# Altium PCB ZYNQ_JTY_16CH.PcbDoc (part 4 of 4) (continued)
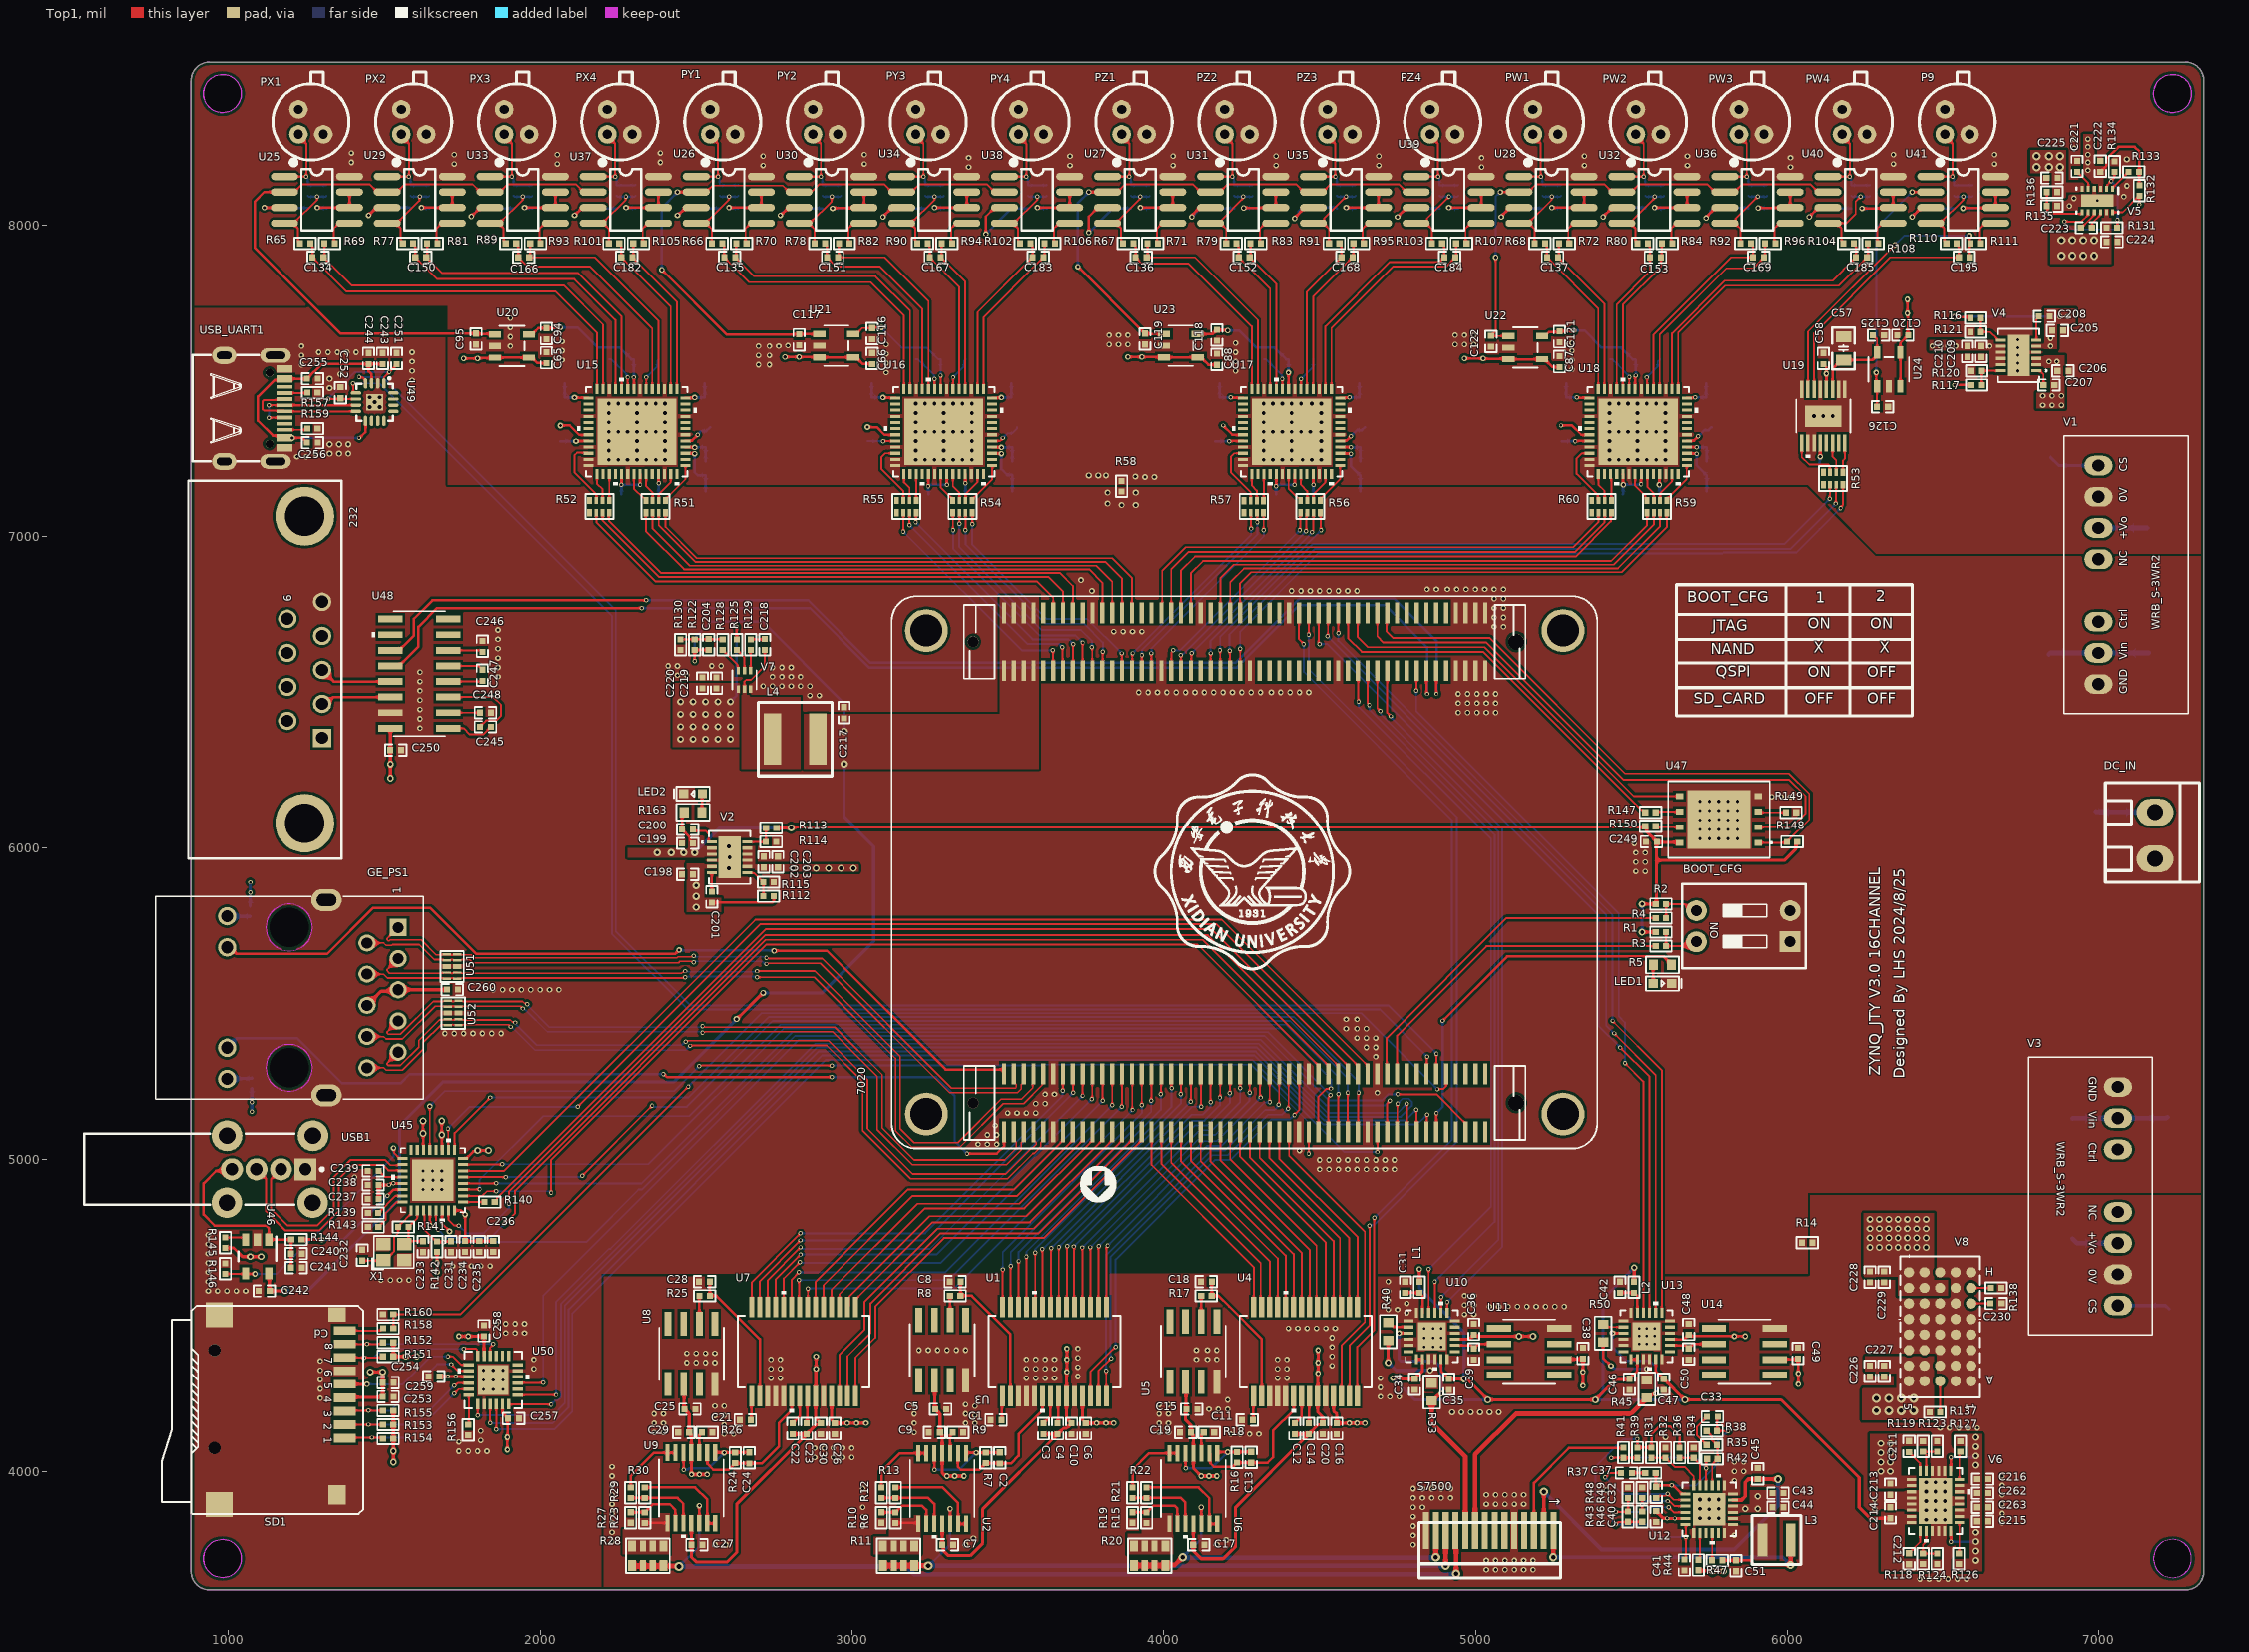
[diagram p0: Top1 view]
## Nets (pads, with @x,y where several pads share a name; then routed paths per layer and width w, separated by ;. In a path a pad name is that pad's centre, name@x,y a point inside that pad or via, vN(x,y) a via of type N, cw(c..) or ccw(c..) an arc to the next point about the centre after c; other vN are vias at no path point) (continued)
  Top1 w8: U25.2@1180,8105 1115,8105 1085,8075 1085,7925 1359.57,7650.43 C95.2@1795,7650.43 1796.52,7648.92 1854.23,7648.92 U20.1@1855.75,7647.4
VREF1V65_Y: C117.2 U21.1 U26.2 U30.2 U34.2 U38.2 | length 1971.3
  Top1 w6: U26.2@2500,8105 2531.5,8105 2552.31,8125.81 2777.69,8125.81 2798.5,8105 U30.2@2830,8105 2833.37,8108.37 2873.37,8108.37 2895,8130 3103.5,8130 3128.5,8105 U34.2@3160,8105 3191.5,8105 3216.5,8130 3433.5,8130 3458.5,8105 U38.2@3490,8105
  Top1 w8: v1(2390,7855) 2597.28,7647.72 C117.2@2830,7647.72 2830.34,7648.06 2895.41,7648.06 U21.1@2895.75,7648.4 ; v1(2440,8105) U26.2@2500,8105
  Bottom4 w8: v1(2390,7855) 2390,8055 v1(2440,8105)
VREF1V65_Z: C119.2 U23.1 U27.2 U31.2 U35.2 U39.2 | length 1730.7
  Top1 w6: U27.2@3820,8105 3851.5,8105 3876.5,8130 4093.5,8130 4118.5,8105 U31.2@4150,8105 4180,8105 4205,8130 4423.5,8130 4448.5,8105 U35.2@4480,8105 4510,8105 4535,8130 4753.5,8130 4778.5,8105 U39.2@4810,8105
  Top1 w8: v1(3725,7865) 3933.72,7656.28 3934.16,7656.28 C119.2@3940,7650.43 ; v1(3760,8105) U27.2@3820,8105 ; C119.2@3941.02,7649.42 3999.73,7649.42 U23.1@4000.75,7648.4
  Bottom4 w8: v1(3725,7865) 3725,8070 v1(3760,8105)
VREF3V3_9: C57.1 C125.2 U19.3 U24.5 | length 297.6
  Top1 w6: C125.2@6274.57,7645 6287.6,7631.97 U24.5@6287.6,7589.25
  Top1 w8: U19.3@6144.53,7471 6144.53,7537.03 6172.5,7565 C57.1@6180,7565 6273.1,7565 6287.6,7579.5 U24.5@6287.6,7589.25
VREF3V3_W: C121.2 C129.2 U18.8 U22.5 | length 442.4
  Top1 w8: U22.5@5214.25,7642.4 5224,7642.4 5236.6,7655 5267.28,7655 C121.2@5270,7657.72 5311.09,7657.72 5313.38,7660 v1(5315,7660) ; U18.8@5512.56,7471 5512.56,7510.94 5515,7513.38 v2(5515,7515)
  Bottom4 w8: v1(5315,7660) 5350,7660 5405,7605 5467.51,7605 5504.91,7567.6 C129.2@5512.41,7567.6 5515,7565.01 v2(5515,7515)
VREF3V3_X: C56.2 C94.2 U15.8 U20.5 | length 484.2
  Top1 w8: U20.5@1964.25,7647.4 1974,7647.4 1994.31,7667.72 C94.2@2020,7667.72 2061.09,7667.72 2063.38,7670 v1(2065,7670) ; v2(2300,7510) 2300.08,7509.92 2300.08,7471.08 U15.8@2300.16,7471
  Bottom4 w8: v1(2065,7670) 2120,7670 2185,7605 2255.1,7605 2292.5,7567.6 C56.2@2300,7567.6 v2(2300,7510)
VREF3V3_Y: C64.2 C116.2 U16.8 U21.5 | length 428.8
  Top1 w6: U21.5@3004.25,7648.4 3014,7648.4 3033.31,7667.72 C116.2@3065,7667.72 3067.28,7670 v1(3095,7670) ; v2(3285,7515) 3285.08,7514.92 3285.08,7471.08 U16.8@3285.16,7471
  Bottom4 w6: v1(3095,7670) 3160,7605 3240.1,7605 3277.5,7567.6 C64.2@3285,7567.6 v2(3285,7515)
VREF3V3_Z: C93.2 C118.2 U17.8 U23.5 | length 432.7
  Top1 w8: U23.5@4109.25,7648.4 4155.69,7648.4 C118.2@4170,7662.72 4171.36,7661.36 4203.64,7661.36 v1(4205,7660) ; v1(4400,7525) 4400.08,7524.92 4400.08,7471.08 U17.8@4400.16,7471
  Bottom4 w8: v1(4205,7660) 4241.35,7660 4296.35,7605 4355.1,7605 4392.5,7567.6 C93.2@4400,7567.6 v1(4400,7525)
VUSB: C243.1 C244.1 C255.1 C256.1 U49.3 U49.9 USB_UART1.2 USB_UART1.11 | length 1053.8
  Top1 w8: v1(1205,7315) USB_UART1.11@1204.49,7315.51 ; C256.1@1252.28,7300 1236.77,7315.51 USB_UART1.11@1204.49,7315.51 ; v2(1420,7315) 1421.62,7315 1440.16,7333.53 1440.16,7369.67 U49.9@1440.31,7369.83 ; U49.3@1460,7490 1460,7519.24 1450,7529.24 C244.1@1450,7552.28 ; C243.1@1495,7552.28 C244.1@1450,7552.28 ; USB_UART1.11@1204.49,7315.51 USB_UART1.11@1180.33,7315.51 1173.58,7322.26 1142.74,7322.26 1095,7370 1095,7448.05 1147.43,7500.47 1176.31,7500.47 1180.59,7504.74 1252.03,7504.74 C255.1@1252.28,7505 1299.56,7552.28 C244.1@1450,7552.28
  Bottom4 w8: v1(1205,7315) v2(1420,7315)
VUSB_V_EN: R146.1 U45.17 U46.4 | length 776.5
  Top1 w6: R146.1@990,4635 1053.46,4635 U46.4@1055.2,4636.73 1056.93,4635 v1(1085,4635) ; v1(1530,5037.94) 1532.3,5035.64 1532.3,5021.7 1549,5005 U45.17@1560,5005
  Bottom4 w6: v1(1085,4635) 1155,4635 1530,5010 v1(1530,5037.94)
W1+: C137.2 R68.2 U18.14 | length 539.8
  Top1 w6: R68.2@5223.46,7940 5230,7933.46 C137.2@5230,7895 5236.84,7888.16 5394.45,7730.55 U18.14@5394.45,7471
W1-: C137.1 R72.2 U18.13 | length 531.8
  Top1 w6: R72.2@5268.27,7940 5268.27,7897.83 C137.1@5265.43,7895 5414.14,7746.3 U18.13@5414.14,7471
W2+: C153.2 R80.2 U18.11 | length 515.8
  Top1 w6: U18.11@5453.51,7471 5453.51,7743.51 5560,7850 C153.2@5560,7895 5560,7933.46 R80.2@5553.46,7940
W2-: C153.1 R84.2 U18.10 | length 520.8
  Top1 w6: U18.10@5473.19,7471 5473.19,7743.19 5595.43,7865.43 C153.1@5595.43,7895 5598.27,7897.83 R84.2@5598.27,7940
W3+: C169.2 R92.2 U18.5 | length 644.6
  Top1 w6: U18.5@5571.62,7471 5571.62,7646.62 5820,7895 C169.2@5890,7895 5890,7933.46 R92.2@5883.46,7940
W3-: C169.1 R96.2 U18.4 | length 658.6
  Top1 w6: U18.4@5591.3,7471 5591.3,7646.3 5805,7860 5890.43,7860 C169.1@5925.43,7895 5928.27,7897.83 R96.2@5928.27,7940
W4+: C185.2 R104.2 U18.2 | length 917.9
  Top1 w6: U18.2@5630.67,7471 5630.67,7650.67 5800,7820 6145,7820 6213.16,7888.16 C185.2@6220,7895 6220,7933.46 R104.2@6213.46,7940
W4-: C185.1 R108.2 U18.1 | length 933.7
  Top1 w6: U18.1@5650.36,7471 5650.36,7653.39 5800.99,7804.01 6164.45,7804.01 C185.1@6255.43,7895 6258.27,7897.83 R108.2@6258.27,7940
W_CLKOUT: 7020.J1_39 R59.5 | length 1694.4
  Top1 w6: 7020.J1_39@4087.01,6754.69 4087.01,6882.01 4126,6921 5436,6921 5550.91,7035.91 R59.5@5550.91,7075.31
W_CLKOUTEN: 7020.J1_43
W_CNV: 7020.J1_33 R60.6 | length 1630.9
  Top1 w6: 7020.J1_33@3992.52,6754.69 3995,6757.17 3995,6890 4070,6965 5315,6965 5395,7045 5395,7075.16 R60.6@5395.16,7075.31
W_SCK: 7020.J1_49 R59.8 | length 1584.9
  Top1 w6: 7020.J1_49@4244.49,6754.69 4244.49,6849.49 4280,6885 5470,6885 5613.9,7028.9 R59.8@5613.9,7075.31
W_SDO1: 7020.J1_35 R60.7 | length 1623.1
  Top1 w6: 7020.J1_35@4024.02,6754.69 4024.02,6894.02 4080,6950 5320,6950 5414.84,7044.84 R60.7@5414.84,7075.31
W_SDO2: 7020.J1_37 R60.8 | length 1602.9
  Top1 w6: 7020.J1_37@4055.51,6754.69 4055,6755.2 4055,6890 4100,6935 5321.97,6935 5435,7048.03 R60.8@5435,7069.96
W_SDO3: 7020.J1_45 R59.6 | length 1611.5
  Top1 w6: 7020.J1_45@4181.5,6754.69 4181.5,6866.5 4224,6909 5444,6909 5572.56,7037.56 R59.6@5572.56,7075.31
W_SDO4: 7020.J1_47 R59.7 | length 1594.9
  Top1 w6: 7020.J1_47@4212.99,6754.69 4212.99,6852.99 4257,6897 5457,6897 5592.25,7032.25 R59.7@5592.25,7075.31
X1+: C134.2 R65.2 U15.14 | length 1242
  Top1 w6: R65.2@1263.46,7940 1270,7933.46 C134.2@1270,7895 1380,7785 2050,7785 2182.05,7652.95 U15.14@2182.05,7471
X1-: C134.1 R69.2 U15.13 | length 1239.5
  Top1 w6: R69.2@1308.27,7940 1308.27,7897.83 C134.1@1305.43,7895 1395.43,7805 2075,7805 2201.73,7678.27 U15.13@2201.73,7471
X2+: C150.2 R77.2 U15.11 | length 995
  Top1 w6: R77.2@1593.46,7940 1600,7933.46 C150.2@1600,7895 1670,7825 2110,7825 2241.1,7693.9 U15.11@2241.1,7471
X2-: C150.1 R81.2 U15.10 | length 979.8
  Top1 w6: C150.1@1635.43,7895 1685.43,7845 2120,7845 2260.79,7704.21 U15.10@2260.79,7471 ; C150.1@1638.27,7897.83 R81.2@1638.27,7940
X3+: C166.2 R89.2 U15.5 | length 766.6
  Top1 w6: R89.2@1923.46,7940 1930,7933.46 C166.2@1930,7895 1960,7865 2160,7865 2359.21,7665.79 U15.5@2359.21,7471
X3-: C166.1 R93.2 U15.4 | length 760.2
  Top1 w6: C166.1@1965.43,7895 2175,7895 2378.9,7691.1 U15.4@2378.9,7471 ; C166.1@1968.27,7897.83 R93.2@1968.27,7940
X4+: C182.2 R101.2 U15.2 | length 537.3
  Top1 w6: R101.2@2253.46,7940 2260,7933.46 C182.2@2260,7895 2418.27,7736.73 U15.2@2418.27,7471
X4-: C182.1 R105.2 U15.1 | length 529.2
  Top1 w6: R105.2@2298.27,7940 2298.27,7897.83 C182.1@2295.43,7895 2437.95,7752.48 U15.1@2437.95,7471
X_CLKOUT: 7020.J1_21 R51.5 | length 1689
  Top1 w6: R51.5@2338.5,7075.31 2338.5,7016.5 2461,6894 3761,6894 3803.55,6851.45 7020.J1_21@3803.55,6754.69
X_CLKOUTEN: 7020.J1_29
X_CNV: 7020.J1_11 R52.6 | length 1645.5
  Top1 w6: R52.6@2180.16,7075.31 2180,7075.16 2180,7045 2370,6855 3595,6855 3646.07,6803.93 7020.J1_11@3646.07,6754.69
X_SCK: 7020.J1_27 R51.8 | length 1721.4
  Top1 w6: R51.8@2401.5,7075.31 2401.5,7030.47 2501.97,6930 3835,6930 3898.03,6866.97 7020.J1_27@3898.03,6754.69
X_SDO1: 7020.J1_13 R52.7 | length 1664.9
  Top1 w6: R52.7@2199.84,7075.31 2200,7075.16 2200,7050 2380,6870 3630,6870 3677.56,6822.44 7020.J1_13@3677.56,6754.69
X_SDO2: 7020.J1_15 R52.8 | length 1687.8
  Top1 w6: R52.8@2221.5,7075.31 2220,7073.82 2220,7050 2388,6882 3668,6882 3709.06,6840.94 7020.J1_15@3709.06,6754.69
X_SDO3: 7020.J1_23 R51.6 | length 1696
  Top1 w6: R51.6@2360.16,7075.31 2360.16,7024.84 2479,6906 3784,6906 3835.04,6854.96 7020.J1_23@3835.04,6754.69
X_SDO4: 7020.J1_25 R51.7 | length 1706.7
  Top1 w6: R51.7@2379.84,7075.31 2379.84,7035.16 2497,6918 3812,6918 3866.54,6863.46 7020.J1_25@3866.54,6754.69
Y1+: C135.2 R66.2 U16.14 | length 939.2
  Top1 w6: R66.2@2583.46,7940 2590,7933.46 C135.2@2590,7895 2670,7815 3060,7815 3167.05,7707.95 U16.14@3167.05,7471
Y1-: C135.1 R70.2 U16.13 | length 926.9
  Top1 w6: C135.1@2625.43,7895 2685.43,7835 3075,7835 3186.73,7723.27 U16.13@3186.73,7471 ; C135.1@2628.27,7897.83 R70.2@2628.27,7940
Y2+: C151.2 R78.2 U16.11 | length 680.5
  Top1 w6: R78.2@2913.46,7940 2920,7933.46 C151.2@2920,7895 2950,7865 3090,7865 3226.1,7728.9 U16.11@3226.1,7471
Y2-: C151.1 R82.2 U16.10 | length 674
  Top1 w6: C151.1@2955.43,7895 2958.27,7895 3105,7895 3245.79,7754.21 U16.10@3245.79,7471 ; C151.1@2958.27,7897.83 R82.2@2958.27,7940
Y3+: C167.2 R90.2 U16.5 | length 510.7
  Top1 w6: R90.2@3243.46,7940 3250,7933.46 C167.2@3250,7895 3344.21,7800.79 U16.5@3344.21,7471
Y3-: C167.1 R94.2 U16.4 | length 498.7
  Top1 w6: C167.1@3285.43,7895 3363.9,7816.54 U16.4@3363.9,7471 ; C167.1@3288.27,7897.83 R94.2@3288.27,7940
Y4+: C183.2 R102.2 U16.2 | length 544.9
  Top1 w6: U16.2@3403.27,7471 3403.27,7718.27 3573.16,7888.16 C183.2@3580,7895 3580,7933.46 R102.2@3573.46,7940
Y4-: C183.1 R106.2 U16.1 | length 550.2
  Top1 w6: U16.1@3422.95,7471 3422.95,7702.95 3608.16,7888.16 3608.59,7888.16 C183.1@3615.43,7895 3618.27,7897.83 R106.2@3618.27,7940
Y_CLKOUT: 7020.J1_18 R54.5 | length 745.8
  Top1 w6: R54.5@3323.5,7075.31 3324.25,7074.57 3324.25,7020.75 v2(3325,7020) ; v2(3740,6660) 3740.28,6659.73 3740.28,6569.92 7020.J1_18@3740.55,6569.65
  Bottom4 w6: v2(3325,7020) 3325,6960 3603,6682 3718,6682 v2(3740,6660)
Y_CLKOUTEN: 7020.J1_24
Y_CNV: 7020.J1_12 R55.6 | length 763.4
  Top1 w6: R55.6@3165.16,7075.31 3165.12,7075.28 v2(3165.08,7015.08) ; v2(3645,6635) 3645.53,6634.47 3645.53,6570.18 7020.J1_12@3646.07,6569.65 ; v2(3165.08,7015.08) v2(3165.08,7015.08)
  Bottom4 w6: v2(3165.08,7015.08) 3545.16,6635 v2(3645,6635)
Y_SCK: 7020.J1_26 R54.8 | length 780.7
  Top1 w6: v2(3386.52,7039.06) R54.8@3386.5,7075.31 ; v2(3865,6625) 3865.77,6624.23 3865.77,6570.42 7020.J1_26@3866.54,6569.65
  Bottom4 w6: v2(3386.52,7039.06) 3386.52,6973.48 3625,6735 3755,6735 v2(3865,6625)
Y_SDO1: 7020.J1_14 R55.7 | length 768.3
  Top1 w6: v2(3184.86,7035.14) R55.7@3184.85,7075.31 ; v2(3675,6645) 3676.28,6643.72 3676.28,6570.93 7020.J1_14@3677.56,6569.65
  Bottom4 w6: v2(3184.86,7035.14) 3565,6655 3665,6655 v2(3675,6645)
Y_SDO2: 7020.J1_16 R55.8 | length 783.2
  Top1 w6: v2(3205,7045) 3205.75,7045.75 3205.75,7074.57 R55.8@3206.5,7075.31 ; 7020.J1_16@3709.06,6569.65 3709.53,6570.12 3709.53,6654.53 v2(3710,6655)
  Bottom4 w6: v2(3205,7045) 3580,6670 3695,6670 v2(3710,6655)
Y_SDO3: 7020.J1_20 R54.6 | length 755.8
  Top1 w6: v2(3345,7040) 3345.08,7040.08 3345.08,7075.24 R54.6@3345.16,7075.31 ; v2(3770,6645) 3771.02,6643.98 3771.02,6570.67 7020.J1_20@3772.05,6569.65
  Bottom4 w6: v2(3345,7040) 3345,6965 3610,6700 3735,6700 3770,6665 v2(3770,6645)
Y_SDO4: 7020.J1_22 R54.7 | length 761.8
  Top1 w6: R54.7@3364.84,7075.31 3364.92,7075.24 3364.92,7020.08 v2(3365,7020) ; 7020.J1_22@3803.55,6569.65 3804.28,6570.38 3804.28,6629.27 v2(3805,6630)
  Bottom4 w6: v2(3365,7020) 3365,6975 3620,6720 3745,6720 3805,6660 v2(3805,6630)
Z1+: C136.2 R67.2 U17.14 | length 713.7
  Top1 w6: R67.2@3903.46,7940 3910,7933.46 C136.2@3910,7895 3930,7875 4080,7875 4282.05,7672.95 U17.14@4282.05,7471
Z1-: C136.1 R71.2 U17.13 | length 704.3
  Top1 w6: R71.2@3948.27,7940 3948.27,7895 4100,7895 4301.73,7693.27 U17.13@4301.73,7471
Z2+: C152.2 R79.2 U17.11 | length 513.6
  Top1 w6: R79.2@4233.46,7940 4240,7933.46 C152.2@4240,7895 4341.1,7793.9 U17.11@4341.1,7471
Z2-: C152.1 R83.2 U17.10 | length 505.5
  Top1 w6: R83.2@4278.27,7940 4278.27,7897.83 C152.1@4275.43,7895 4282.28,7888.16 4360.79,7809.65 U17.10@4360.79,7471
Z3+: C168.2 R91.2 U17.5 | length 517.6
  Top1 w6: U17.5@4459.21,7471 4459.21,7784.21 C168.2@4570,7895 4570,7933.46 R91.2@4563.46,7940
Z3-: C168.1 R95.2 U17.4 | length 522.6
  Top1 w6: U17.4@4478.9,7471 4478.9,7768.46 C168.1@4605.43,7895 4608.27,7897.83 R95.2@4608.27,7940
Z4+: C184.2 R103.2 U17.2 | length 723.6
  Top1 w6: U17.2@4518.27,7471 4518.27,7673.27 4725,7880 4885,7880 C184.2@4900,7895 4900,7933.46 R103.2@4893.46,7940
Z4-: C184.1 R107.2 U17.1 | length 734.7
  Top1 w6: U17.1@4537.95,7471 4537.95,7667.95 4735,7865 4905.43,7865 C184.1@4935.43,7895 4938.27,7897.83 R107.2@4938.27,7940
Z_CLKOUT: 7020.J1_36 R56.5 | length 690.5
  Top1 w6: 7020.J1_36@4024.02,6569.65 4024.51,6570.14 4024.51,6627.35 4030,6632.84 v2(4030,6635) ; v2(4436.06,7018.94) 4437.35,7020.23 4437.35,7074.16 R56.5@4438.5,7075.31
  Bottom4 w6: v2(4030,6635) 4052.37,6635 4436.06,7018.69 v2(4436.06,7018.94)
Z_CLKOUTEN: 7020.J1_42
Z_CNV: 7020.J1_28 R57.6 | length 664.1
  Top1 w6: 7020.J1_28@3898.03,6569.65 3899.01,6570.64 3899.01,6624.01 v2(3900,6625) ; R57.6@4278.66,7075 4279.33,7074.33 4279.33,7025.67 v2(4280,7025)
  Bottom4 w6: v2(3900,6625) 4280,7005 v2(4280,7025)
Z_SCK: 7020.J1_44 R56.8 | length 654.2
  Top1 w6: 7020.J1_44@4150,6569.65 v2(4150,6625) ; R56.8@4501.5,7075.31 4503.47,7073.34 4503.47,7021.53 v2(4505,7020)
  Bottom4 w6: v2(4150,6625) 4150,6665 v2(4505,7020)
Z_SDO1: 7020.J1_30 R57.7 | length 659.5
  Top1 w6: 7020.J1_30@3929.53,6569.65 3929.84,6569.96 3929.84,6618.94 v2(3930.15,6619.25) ; R57.7@4298.35,7075 4299.17,7074.17 4299.17,7045.83 v2(4300,7045)
  Bottom4 w6: v2(3930.15,6619.25) 3930.25,6619.35 3930.25,6635.25 4300,7005 v2(4300,7045)
Z_SDO2: 7020.J1_32 R57.8 | length 655.7
  Top1 w6: v2(3960,6625) 3960.51,6624.48 3960.51,6570.16 7020.J1_32@3961.03,6569.65 ; v2(4320,7020) R57.8@4320,7075
  Bottom4 w6: v2(3960,6625) 3961,6626 3961,6641 4321,7001 4321,7019 v2(4320,7020)
Z_SDO3: 7020.J1_38 R56.6 | length 675.9
  Top1 w6: v2(4055,6619) 4055.25,6618.75 4055.25,6569.9 7020.J1_38@4055.51,6569.65 ; v2(4456.03,7016.28) 4457.56,7017.81 4457.56,7072.71 R56.6@4460.16,7075.31
  Bottom4 w6: v2(4055,6619) 4057.16,6619 4060.61,6622.44 4062.19,6622.44 v2(4456.03,7016.28)
Z_SDO4: 7020.J1_40 R56.7 | length 668.5
  Top1 w6: 7020.J1_40@4087.01,6569.65 4088.4,6571.04 4088.4,6623.81 v2(4089.8,6625.2) ; v2(4475.98,7013.61) 4475.98,7015.77 4480,7019.79 4480,7075.16 R56.7@4479.84,7075.31
  Bottom4 w6: v2(4089.8,6625.2) 4474.45,7009.85 4474.45,7012.08 v2(4475.98,7013.61)
pads on no net: 232.1 232.4 232.6 232.7 232.8 232.9 232.M1 232.M2 7020. 7020.0 7020.J1_9 7020.J1_10 7020.J1_17 7020.J1_31 7020.J1_51 7020.J1_53 7020.J1_54 7020.J1_55 7020.J1_56 7020.J1_57 7020.J1_58 7020.J1_60 7020.J1_62 7020.J1_64 7020.J1_66 7020.J1_68 7020.J1_72 7020.J1_75 7020.J1_81 7020.J1_82 7020.J1_83 7020.J1_84 7020.J1_85 7020.J1_87 7020.J1_89 7020.J1_91 7020.J1_92 7020.J2_83 7020.J2_85 7020.J2_92 7020.J2_93 7020.J2_94 7020.J2_95 7020.J2_97 7020.J2_98 7020.J2_99 7020.J2_100 GE_PS1.17 GE_PS1.18 R52.4 R52.5 R53.4 R53.5 R55.4 R55.5 R57.4 R57.5 R60.4 R60.5 S7500.4 S7500.6 S7500.7 S7500.8 U3.1 U3.3 U3.5 U3.7 U3.8 U5.1 U5.3 U5.5 U5.7 U5.8 U8.1 U8.3 U8.5 U8.7 U8.8 U10.6 U10.13 U10.17 U11.1 U11.3 U11.5 U11.7 U11.8 U12.9 U12.11 U12.20 U13.6 U13.13 U13.17 U14.1 U14.3 U14.5 U14.7 U14.8 U15.16 U15.17 U15.19 U15.20 U15.28 U15.30 U15.36 U15.40 U15.42 U15.47 U15.48 U15.50 U15.51 U16.16 U16.17 U16.19 U16.20 U16.28 U16.30 U16.36 U16.40 U16.42 U16.47 U16.48 U16.50 U16.51 U17.16 U17.17 U17.19 U17.20 U17.28 U17.30 U17.36 U17.40 U17.42 U17.47 U17.48 U17.50 U17.51 U18.16 U18.17 U18.19 U18.20 U18.28 U18.30 U18.36 U18.40 U18.42 U18.47 U18.48 U18.50 U18.51 U19.13 U19.15 U45.12 U45.15 U45.16 U48.7 U48.8 U48.9 U48.10 U49.10 U49.11 U49.12 U49.13 U49.14 U49.15 U49.16 U50.8 U50.10 U50.12 U50.13 U50.14 U50.15 USB1.G USB_UART1. USB_UART1.3 USB_UART1.9 V1.3 V1.5 V3.3 V3.5

## Polygon pours and split planes (outlines as drawn)
+3V3 on Top1 "+3V3_L01_P045" (solid, pour order 45): 2565,6010 2565,5970 2280,5970 2280,6000 2475,6000 2475,6040 2521.51,6040 2525.33,6043.81 2526.28,6042.86 2526.28,6012.53 2528.81,6010
+D9 on Top1 "+D9_L01_P044" (solid, remove dead copper, pour order 44): 2650,6010 2686.28,6010 2688.28,6008 2688.28,5947.16 3019.71,5947.16 3021.11,5945.76 3021.11,5924.24 2699.76,5924.24 2693.99,5930 2650,5930
AGND2 on Top1 "AGND2_L01_P050" (solid, remove dead copper, pour order 50): 2195,4635 2195,3630.45 7334.55,3630.45 7335,3630 7335,4895 6065,4895 6065,4635
GND on Top1 "GND_L01_P049" (solid, remove dead copper, pour order 49): 1705,7740 1705,7165 6065,7165 6285,6945 7335,6945 7335,4895 6065,4895 6065,4635 2195,4635 2195,3615 885,3615 880,3620 880,7740
AGND1 on Top1 "AGND1_L01_P043" (solid, remove dead copper, pour order 43): 1705,7740 1705,7165 6065,7165 6285,6945 7335,6945 7335,8525 880,8525 880,7740
+1.8V on Top1 "+1.8V_L01_P042" (solid, pour order 42): 2570,5950 2470,5950 2470,5795 2580,5795 2580,5840 2525,5840 2525,5930 2570,5930
+5V_S7500 on Top1 "+5V_S7500_L01_P037" (solid, pour order 37): 5810,3895 5880,3895 5880,3940 5965,3940 5965,3855.66 5809.53,3855.66 5809.53,3889.53 5810,3890
+D9 on Top1 "+D9_L01_P035" (solid, pour order 35): 2425,6530 2645,6530 2645,6325 2425,6325
-5V_S7500 on Top1 "-5V_S7500_L01_P034" (solid, pour order 34): 6240,4265 6242.5,4267.5 6470,4267.5 6470,4165 6240,4165
+3V3_S7500 on Top1 "+3V3_S7500_L01_P030" (solid, pour order 30): 6300,3870 6420,3870 6420,3830 6375,3830 6375,3720 6455,3720 6455,3680 6300,3680
+5V_S7500 on Top1 "+5V_S7500_L01_P029" (solid, pour order 29): 6455,4080 6455,4120 6265,4120 6265,3945 6310,3945 6415,3945 6415,3985 6365,3985 6365,4080
+A9_S7500 on Top1 "+A9_S7500_L01_P028" (solid, pour order 28): 6580,3980 6580,4080 6535,4080 6535,4120 6625,4120 6625,3980
+A9_S7500 on Top1 "+A9_S7500_L01_P027" (solid, pour order 27): 6535,3720 6585,3720 6585,3850 6625,3850 6625,3680 6535,3680
+A9_S7500 on Top1 "+A9_S7500_L01_P026" (solid, pour order 26): 6535,3960 6580,3960 6580,4000 6625,4000 6625,3820 6585,3820 6585,3850 6535,3850 6535,3885 6570,3885 6570,3925 6535,3925
+A9_S7500 on Top1 "+A9_S7500_L01_P025" (solid, pour order 25): 6245,4625 6355,4625 6355,4565 6515,4565 6515,4615 6470,4615 6470,4830 6245,4830
NetL3_2 on Top1 "NETL3_2_L01_P024" (solid, pour order 24): 5965,3860 5965,3715 5885,3715 5885,3835 5805,3835 5805,3860
-5V_S7500 on Top1 "-5V_S7500_L01_P023" (solid, pour order 23): 6250,4370 6470,4370 6470,4165 6350,4165 6350,4315 6255,4315 6250,4320
NetR45_1 on Top1 "NETR45_1_L01_P021" (solid, pour order 21): 5530,4380 5570,4380 5570,4265 5530,4265
NetR33_1 on Top1 "NETR33_1_L01_P020" (solid, pour order 20): 4840,4380 4880,4380 4880,4265 4840,4265
NetR15_2 on Top1 "NETR15_2_L01_P019" (solid, pour order 19): 3930,3850 3995,3850 3995,3865 4030,3865 4030,3735 3885,3735 3885,3800 3930,3800
NetR6_2 on Top1 "NETR6_2_L01_P018" (solid, remove dead copper, pour order 18): 3200,3860 3200,3850 3120,3850 3120,3790 3070,3790 3070,3735 3220,3735 3220,3860
NetR23_2 on Top1 "NETR23_2_L01_P017" (solid, remove dead copper, pour order 17): 2415,3865 2380,3865 2380,3850 2310,3850 2310,3815 2265,3815 2265,3735 2415,3735
+D2V5_PD on Top1 "+D2V5_PD_L01_P016" (solid, pour order 16): 6785,7600 6865,7600 6865,7680 6925,7680 6925,7730 6825,7730 6825,7620 6785,7620
+A3V3_PD on Top1 "+A3V3_PD_L01_P014" (solid, pour order 14): 6780,7580 6890,7580 6890,7410 6800,7410 6800,7460 6845,7460 6845,7540 6780,7540
+A5_PD on Top1 "+A5_PD_L01_P012" (solid, pour order 12): 6705,7630 6705,7540 6650,7540 6650,7595 6455,7595 6455,7630
+A4_PD on Top1 "+A4_PD_L01_P007" (solid, remove dead copper, pour order 7): 7040,8055 7040,7875 6845,7875 6845,7975 7010,7975 7010,8055
+A5_PD on Top1 "+A5_PD_L01_P006" (solid, pour order 6): 7015,8105 7015,8150 7025,8150 7025,8190 6985,8190 6985,8290 6950,8290 6950,8160 6975,8135 6975,8105
-A4_PD on Top1 "-A4_PD_L01_P005" (solid, pour order 5): 6955,8105 6955,8135 6895,8135 6895,8240 6780,8240 6780,8165 6850,8165 6850,8085 6895,8085 6895,8105
+5_7020 on Top1 "+5_7020_L01_P001" (solid, pour order 1): 3475,6810 3600,6810 3600,6255 2845,6255 2845,6430 2890,6430 3475,6430
NetC218_2 on Top1 "NETC218_2_L01_P002" (solid, remove dead copper, pour order 2): 2665,6525 2665,6495 2675,6485 2835,6485 2835,6255 2645,6255 2645,6525
AGND2 on Bottom4 "AGND2_L04_P048" (solid, remove dead copper, pour order 48): 2200,4635 2200,3635 2195,3630 7330,3630 7330,4885 7335,4890 6065,4890 6067.5,4892.5 6072.5,4892.5 6070,4890 6070,4635
GND on Bottom4 "GND_L04_P047" (solid, remove dead copper, pour order 47): 18 vertices, not listed, extent 890.47,3625 7335,7740
AGND1 on Bottom4 "AGND1_L04_P046" (solid, remove dead copper, pour order 46): 6280,6945 6115,7110 1700,7110 1700,7740 880,7740 880,8520 885,8525 7325,8525 7330,8530 7330,6945
GND on GND2 (split plane): 109 vertices, not listed, extent 900.11,3640.1 7316.61,7729.9
GND on GND2 (split plane): 33 vertices, not listed, extent 900.11,3640.1 970.81,3710.8
AGND1 on GND2 (split plane): 34 vertices, not listed, extent 900.11,8430.79 970.81,8501.48
AGND2 on GND2 (split plane): 33 vertices, not listed, extent 7245.91,3640.1 7316.61,3710.8
AGND2 on GND2 (split plane): 90 vertices, not listed, extent 2200.1,3640.1 7316.61,4889.9
AGND1 on GND2 (split plane): 34 vertices, not listed, extent 7245.91,8430.79 7316.61,8501.48
AGND1 on GND2 (split plane): 165 vertices, not listed, extent 900.11,6950.1 7316.61,8501.48
+A3V3_PD on PWR3 (split plane): 44 vertices, not listed, extent 1710.1,7240.1 6929.9,7669.9
+D9 on PWR3 (split plane): 25 vertices, not listed, extent 2350.1,4905.1 7296.62,6970.22
GND on PWR3 (split plane): 23 vertices, not listed, extent 2200.1,4640.1 6899.9,6329.9
-5V_S7500 on PWR3 (split plane): 17 vertices, not listed, extent 2200.1,4155.1 6754.9,4629.9
+A9_S7500 on PWR3 (split plane): 126 vertices, not listed, extent 6070.1,3660.09 7296.62,4894.9
+D9 on PWR3 (split plane): 6559.9,3660.09 6140.1,3660.09 6140.1,3944.9 6559.9,3944.9
+5V_S7500 on PWR3 (split plane): 24 vertices, not listed, extent 2200.1,3660.09 6559.9,4459.9
+A4_PD on PWR3 (split plane): 143 vertices, not listed, extent 1095.1,7870.1 7094.9,8074.9
+D2V5_PD on PWR3 (split plane): 43 vertices, not listed, extent 1710.1,6980.1 7079.9,7734.9
AGND1 on PWR3 (split plane): 117 vertices, not listed, extent 920.1,7740.1 6904.9,8481.49
-A4_PD on PWR3 (split plane): 147 vertices, not listed, extent 1095.1,7995.1 6904.9,8254.9
+A5_PD on PWR3 (split plane): 153 vertices, not listed, extent 1095.1,6979.78 7296.62,8481.49
+1.8V on PWR3 (split plane): 36 vertices, not listed, extent 1585.1,3660.09 2634.9,5949.9
+3V3 on PWR3 (split plane): 148 vertices, not listed, extent 920.1,3660.09 2634.9,7729.9

## Keep-outs
Keep-Out Layer:
  circle w0.5: c7235.89,3720.82 r61.02
  circle w0.5: c980.83,3720.82 r61.02
  circle w0.5: c7235.89,8420.77 r61.02
  circle w0.5: c980.83,8420.77 r61.02
  lines w0.5: 880.02,3679.06 ccw(c939.07,3679.06) 939.07,3620 7277.65,3620 ccw(c7277.65,3679.06) 7336.71,3679.06 7336.71,8462.52 ccw(c7277.65,8462.52) 7277.65,8521.58 939.07,8521.58 ccw(c939.07,8462.52) 880.02,8462.52 880.02,3679.06

## Other copper
Top1:
  text "C" at 86611.93,26056.73 h104.67
  text "2" at 86665.88,26056.73 h104.67
  text "1" at 86709.04,26056.73 h104.67
  text "5" at 86752.21,26056.73 h104.67
  text "3" at 86611.93,25959.62 h104.67
  text "." at 86655.09,25959.62 h104.67
  text "3" at 86676.67,25959.62 h104.67
  text "u" at 86719.83,25959.62 h104.67
GND2 (plane layer: these items are gaps in the copper):
  lines w10: 880,7735 1705,7735 1705,7165 5905,7165 6065,7165 6285,6945 7325,6945 ; 2195,3615 2195,4635 4680,4635 6065,4635 6065,4640 6065,4705 6065,4895 7325,4895
PWR3 (plane layer: these items are gaps in the copper):
  rectangle: 5240,7520 5345,7690
  rectangle: 5395,7220 5640,7445
  rectangle: 4290,7220 4535,7460
  rectangle: 3180,7210 3420,7455
  rectangle: 2190,7225 2420,7455
  lines w10: 895,7735 1090,7735 ; 1115,8080 1090,8080 ; 1700,3645 1705,3650 1705,4195 1980,4195 ; 1980,4205 1980,4195 ; 2195,3635 2195,4150 2195,4205 ; 2345,6975 2345,6420 2345,6325 2640,6325 2640,5810 ; 2640,5955 1830,5955 1830,5275 1830,5160 1580,5160 1580,4570 1580,4520 1585,4515 1980,4515 1980,4195 ; 6135,3615 6135,3950 6570,3950 ; 6520,3650 6565,3650 6565,4150 ; 6715,7590 6935,7590 6935,7395 6195,7395 6145,7395 5985,7235 1705,7235 ; 6750,6975 6820,6975 7295,6975 ; 6905,4900 6905,6335 3030,6335 3030,5810 2640,5810 ; 6910,7990 6910,8260 6900,8260 6730,8260 6720,8260 6645,8185 1090,8185 1090,8080 ; 6910,8255 6910,8515 ; 7315,4900 6915,4900 6065,4900 6065,4635 ; 1090,7735 1090,7865 ; 1090,7735 1705,7735 1705,7520 ; 1090,7865 6745,7865 7100,7865 7100,7990 6595,7990 6505,8080 6420,8080 6370,8030 6230,8030 6180,8080 6085,8080 6035,8030 5900,8030 5850,8080 5765,8080 5715,8030 5710,8030 5565,8030 5515,8080 5430,8080 5380,8030 5377.5,8030 5235,8030 5185,8080 5105,8080 5055,8030 4905,8030 4855,8080 4770,8080 4720,8030 4580,8030 4530,8080 4445,8080 4395,8030 4250,8030 4200,8080 4110,8080 4060,8030 4057.5,8030 3920,8030 3870,8080 3787.5,8080 3785,8080 3735,8030 3590,8030 3540,8080 3450,8080 3440,8070 3400,8030 3260,8030 3210,8080 3115,8080 3065,8030 2925,8030 2875,8080 2775,8080 2725,8030 2595,8030 2545,8080 2460,8080 2410,8030 2405,8030 2395,8020 2265,8020 2205,8080 2130,8080 2070,8020 1975,8020 1925,8020 1865,8080 1805,8080 1755,8030 1605,8030 1555,8080 1470,8080 1420,8030 1417.5,8030 1275,8030 1225,8080 1090,8080 ; 1090,7865 1090,8080 ; 1705,7235 1705,6975 6915,6975 6915,7290 7085,7290 7085,7740 6715,7740 6715,7540 6580,7540 6310,7540 6310,7675 5345,7675 5345,7535 5345,7520 1705,7520 ; 1705,7235 1705,7520 ; 2195,4205 2195,4635 ; 2195,4205 4785,4205 4785,4465 6070,4465 6070,4150 6565,4150 ; 2195,4635 2195,5700 2640,5700 2640,5810 ; 2195,4635 6065,4635 ; 6065,4635 6760,4635 6760,4150 6565,4150

## Silkscreen, mask and mechanical layers (free items; w line width, h text height)
Top Overlay:
  drawing of 9394 lines, arcs and shapes, not listed
  text "2" at 6284.94,6780 h60
  text "BOOT_CFG" at 5680,6775.66 h60
  text "1" at 6090,6775 h60
  text "ON" at 6065,6690.67 h60
  text "ON" at 6265,6690.67 h60
  text "JTAG" at 5759.89,6685.67 h60
  text "X" at 6085,6615 h60
  text "X" at 6295,6615 h60
  text "NAND" at 5755,6610 h60
  text "QSPI" at 5770,6538 h60
  text "ON" at 6065,6535.67 h60
  text "OFF" at 6255,6535.67 h60
  text "SD_CARD" at 5700,6450.66 h60
  text "OFF" at 6055,6450.67 h60
  text "OFF" at 6255,6450.67 h60
  text "ZYNQ_JTY V3.0 16CHANNEL" at 6309.34,5270 h60 r90
  text "Designed By LHS 2024/8/25" at 6388.73,5260 h60 r90

## Text inside footprints (layer, text, board x,y; h text height)
232: Top Overlay "9" at 1168.23,6812.28 h45 r270; Mechanical 2 "PCB Edge" at 819.02,6709.92 h45 r270
BOOT_CFG: Top Overlay "ON" at 5788.94,5708.94 h45 r90
GE_PS1: Top Overlay "1" at 1563.11,5852.68 h45 r90; Mechanical 13 "10" at 1427.28,5318.23 h45 r270; Mechanical 13 "2" at 1428.27,5707.99 h45 r270; Mechanical 13 "9" at 1526.69,5356.61 h45 r270; Mechanical 13 "1" at 1529.65,5752.28 h45 r270; Mechanical 13 "Y" at 1129.65,5331.56 h45 r270; Mechanical 13 "G" at 1129.65,5748.32 h45 r270
S7500: Top Overlay "→" at 5235,3875.89 h60
SD1: Top Overlay "Cd" at 1322.39,4465.5 h45 r180; Top Overlay "8" at 1300.39,4412.5 h45 r270; Top Overlay "7" at 1299.39,4368.5 h45 r270; Top Overlay "6" at 1299.39,4326.5 h45 r270; Top Overlay "5" at 1299.39,4284.5 h45 r270; Top Overlay "4" at 1298.39,4242.5 h45 r270; Top Overlay "3" at 1298.39,4195.5 h45 r270; Top Overlay "2" at 1298.39,4153.5 h45 r270; Top Overlay "1" at 1297.39,4110.5 h45 r270
U1: Mechanical 13 "*" at 3803.5,4493 h45 r270
U2: Mechanical 13 "*" at 3335.43,4029.11 h45 r270
U3: Mechanical 13 "*" at 3244.5,4314 h45 r90
U4: Mechanical 13 "*" at 4608.5,4493 h45 r270
U5: Mechanical 13 "*" at 4049.5,4309 h45 r90
U6: Mechanical 13 "*" at 4140.43,4029.11 h45 r270
U7: Mechanical 13 "*" at 2998.5,4493 h45 r270
U8: Mechanical 13 "*" at 2439.5,4302 h45 r90
U9: Mechanical 13 "*" at 2529.83,4030.81 h45 r270
U10: Mechanical 13 "*" at 4789,4469.05 h45
U11: Mechanical 13 "*" at 5249,4339.5 h45 r180
U12: Mechanical 13 "*" at 5676.53,3912.56 h45
U13: Mechanical 13 "*" at 5478,4469.06 h45
U14: Mechanical 13 "*" at 5938,4339.5 h45 r180
U15: Mechanical 13 "*" at 2422.8,7467.5 h45 r270
U16: Mechanical 13 "*" at 3407.8,7467.5 h45 r270
U17: Mechanical 13 "*" at 4522.8,7467.5 h45 r270
U18: Mechanical 13 "*" at 5635.2,7467.5 h45 r270
U19: Mechanical 13 "*" at 6143.5,7443.5 h45 r270
U20: Mechanical 13 "*" at 1873,7624.4 h45
U21: Mechanical 13 "*" at 2913,7625.4 h45
U22: Mechanical 13 "*" at 5123,7619.4 h45
U23: Mechanical 13 "*" at 4018,7625.4 h45
U24: Mechanical 13 "*" at 6310.6,7498 h45 r90
U45: Mechanical 13 "*" at 1749.5,4880 h45 r180
U48: Mechanical 13 "*" at 1687.5,6418 h45 r180
V1: Top Overlay "NC" at 7101.4,6903.62 h45 r90; Top Overlay "Ctrl" at 7101.4,6704.14 h45 r90; Top Overlay "Vin" at 7101.4,6604.13 h45 r90; Top Overlay "WRB_S-3WR2" at 7204.74,6701.22 h45 r90; Top Overlay "GND" at 7101.4,6493.62 h45 r90; Top Overlay "0V" at 7101.4,7109.34 h45 r90; Top Overlay "CS" at 7101.4,7206.41 h45 r90; Top Overlay "+Vo" at 7101.4,6988.74 h45 r90
V3: Top Overlay "NC" at 6958.6,4856.38 h45 r270; Top Overlay "Ctrl" at 6958.6,5055.86 h45 r270; Top Overlay "Vin" at 6958.6,5155.87 h45 r270; Top Overlay "WRB_S-3WR2" at 6855.26,5058.78 h45 r270; Top Overlay "GND" at 6958.6,5266.38 h45 r270; Top Overlay "0V" at 6958.6,4650.66 h45 r270; Top Overlay "CS" at 6958.6,4553.59 h45 r270; Top Overlay "+Vo" at 6958.6,4771.26 h45 r270
V6: Mechanical 13 "*" at 6401.48,3958.74 h45
V8: Top Overlay "5" at 6365,4218.5 h45 r270; Top Overlay "1" at 6565,4218.5 h45 r270; Top Overlay "H" at 6663,4665 h45 r180; Top Overlay "A" at 6663,4315 h45 r180; Mechanical 13 "5" at 6365,4218.5 h45 r270; Mechanical 13 "1" at 6565,4218.5 h45 r270; Mechanical 13 "H" at 6663,4665 h45 r180; Mechanical 13 "A" at 6663,4315 h45 r180